# Altium PCB Sensor.PcbDoc (part 1 of 3)
Units mil, origin at the board's own origin, x right, y up, seen from the top; angles counter-clockwise.
Board outline 4420 x 3000 mil, 2 copper layers (Top Layer, Bottom Layer); 1207 components, 78 nets, 2560 pads, 1349 vias.
Unrouted connection lines stored in the file: 1.
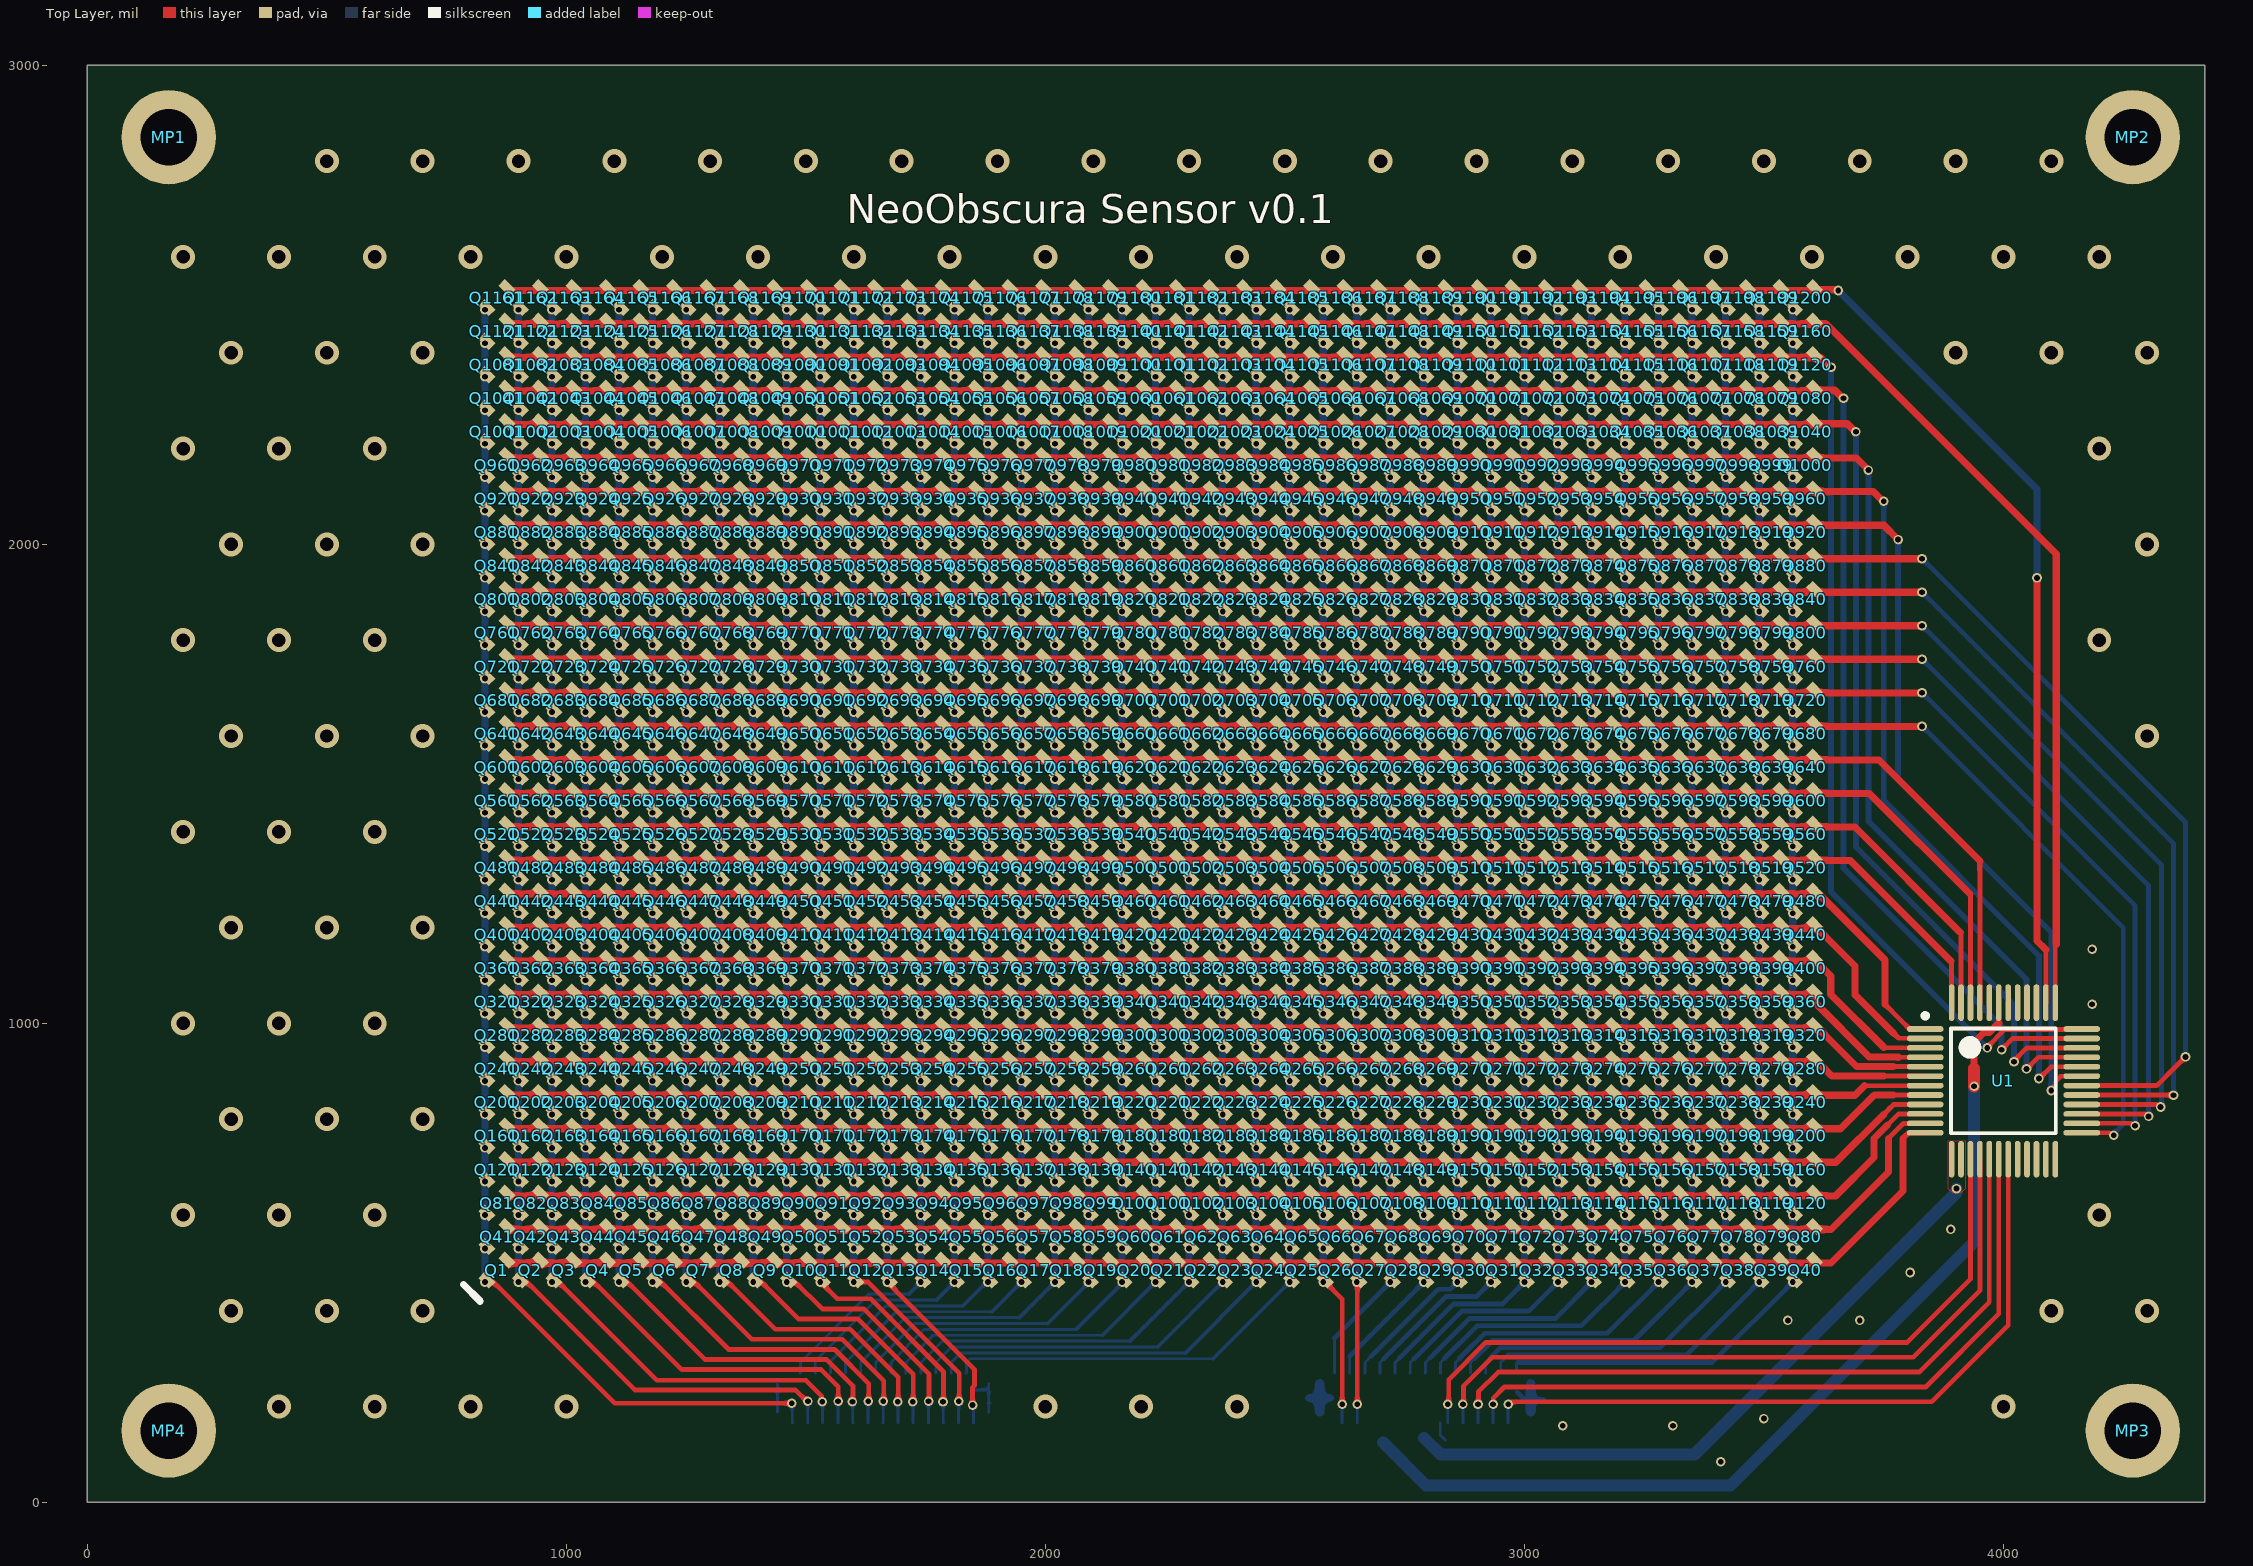
[diagram p0: Top Layer view]
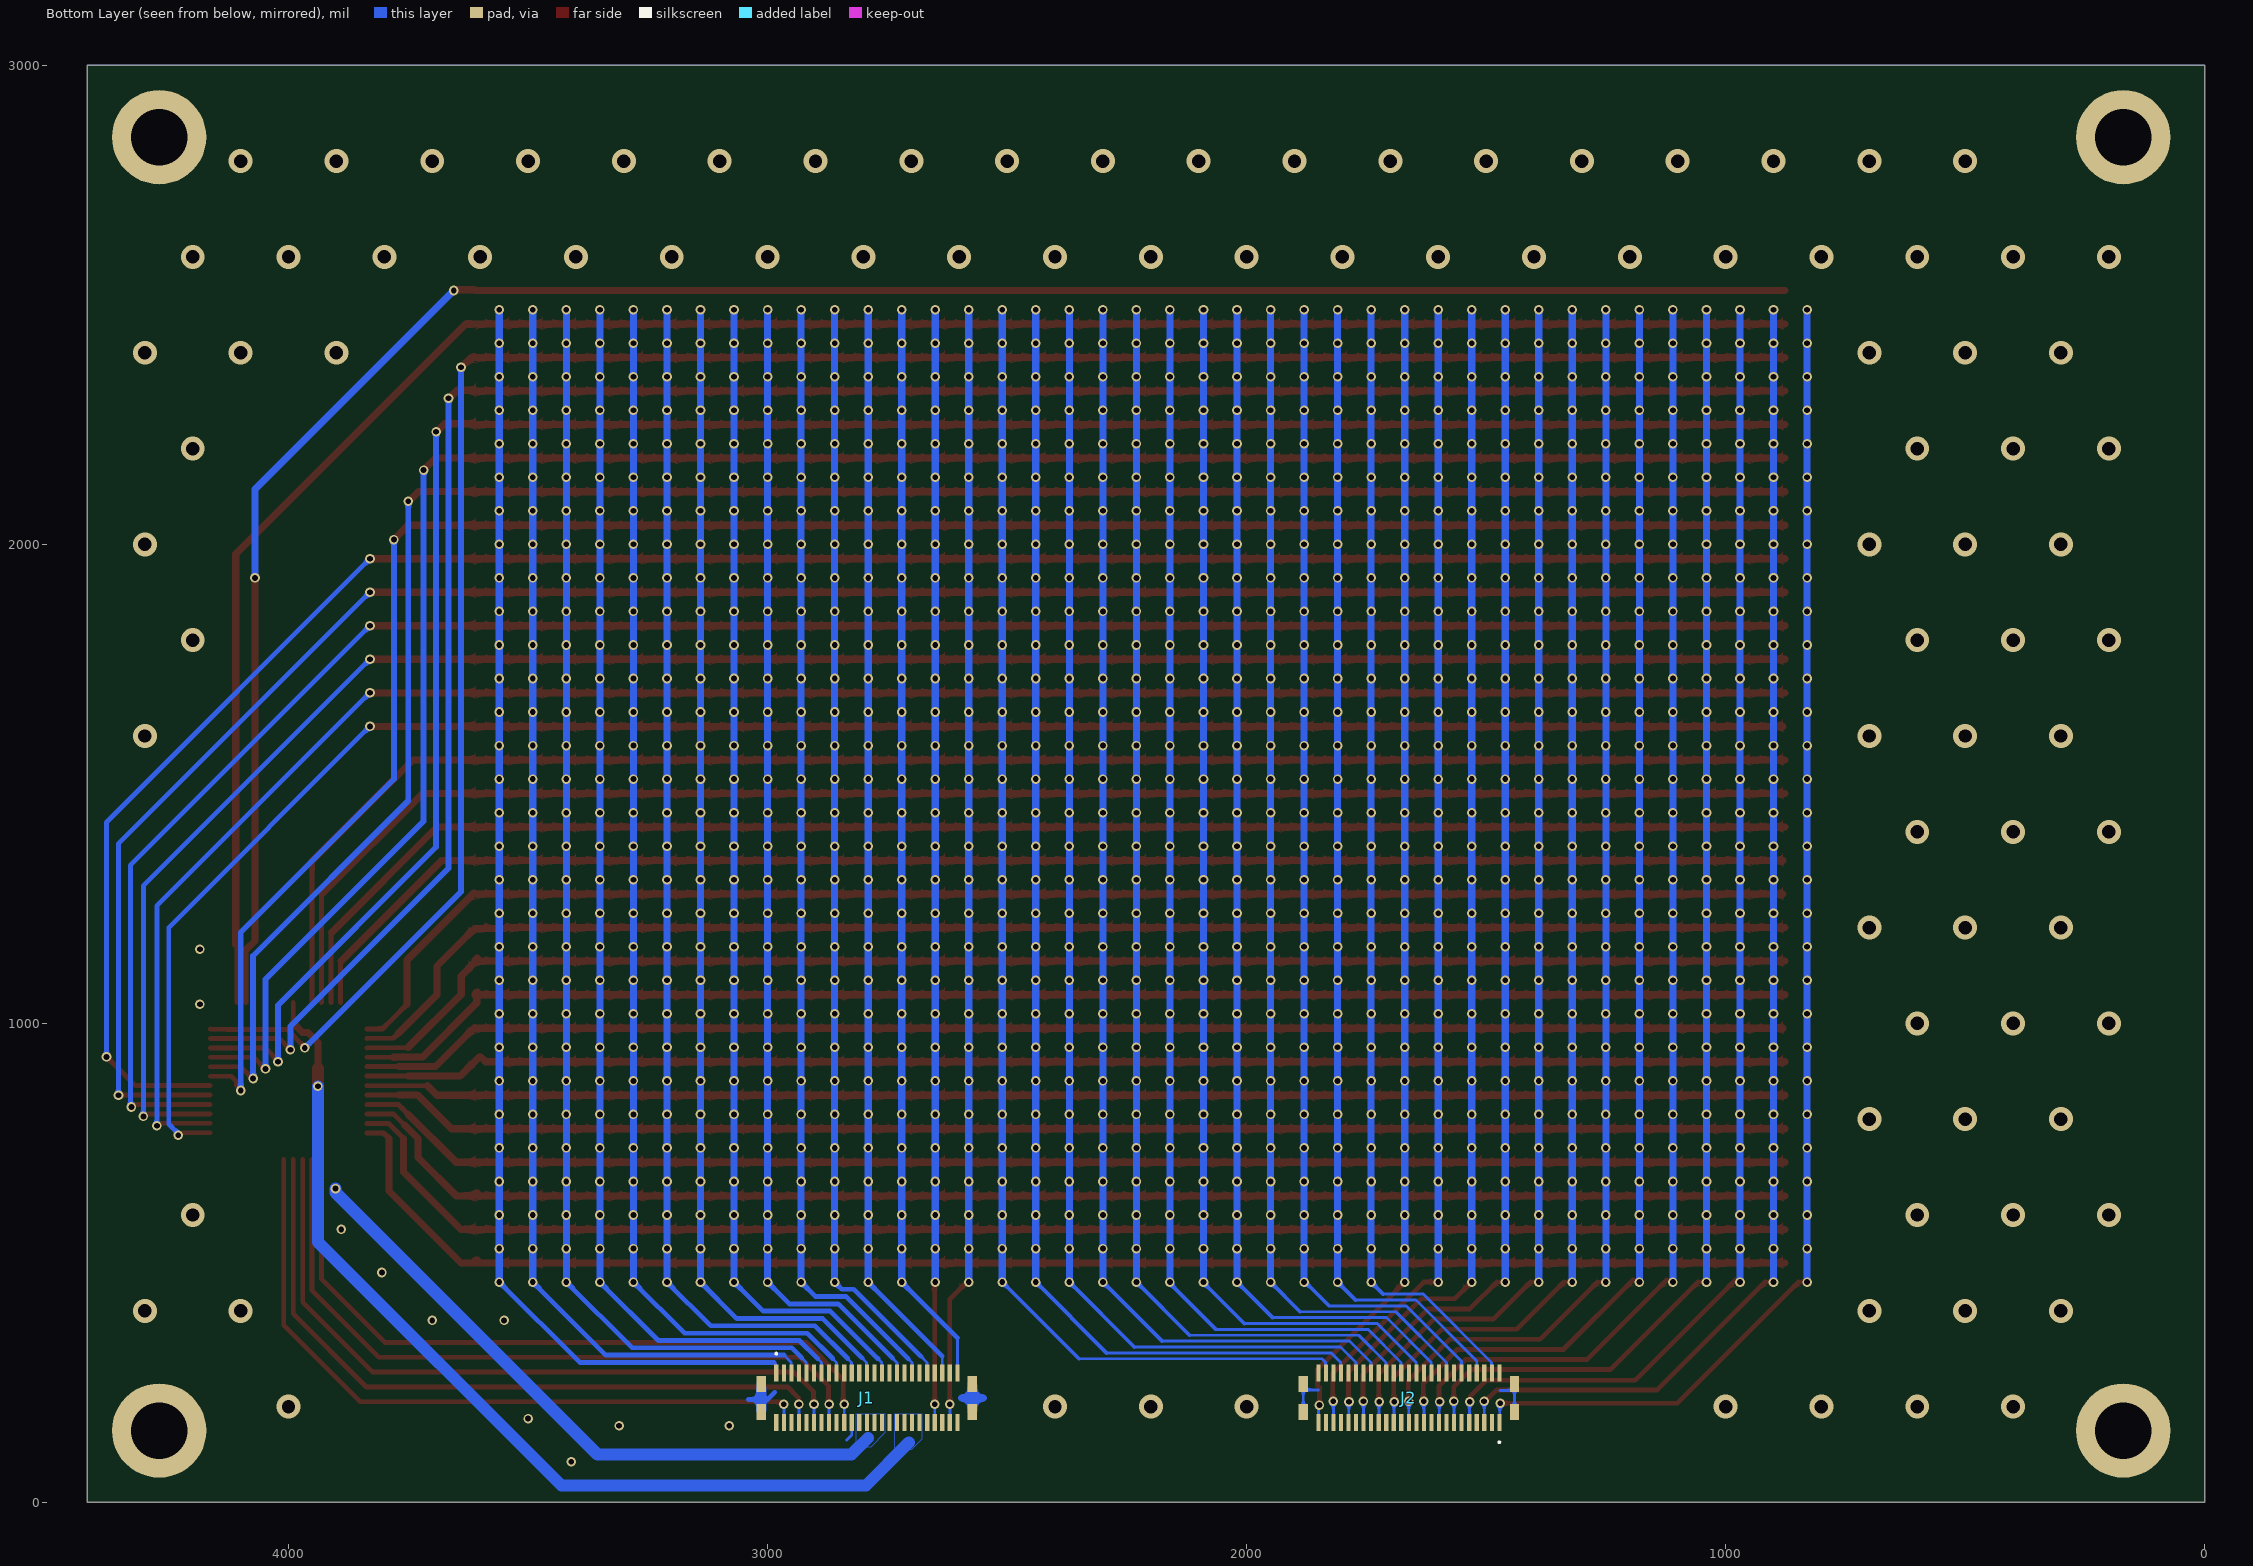
[diagram p1: Bottom Layer view, seen from below]
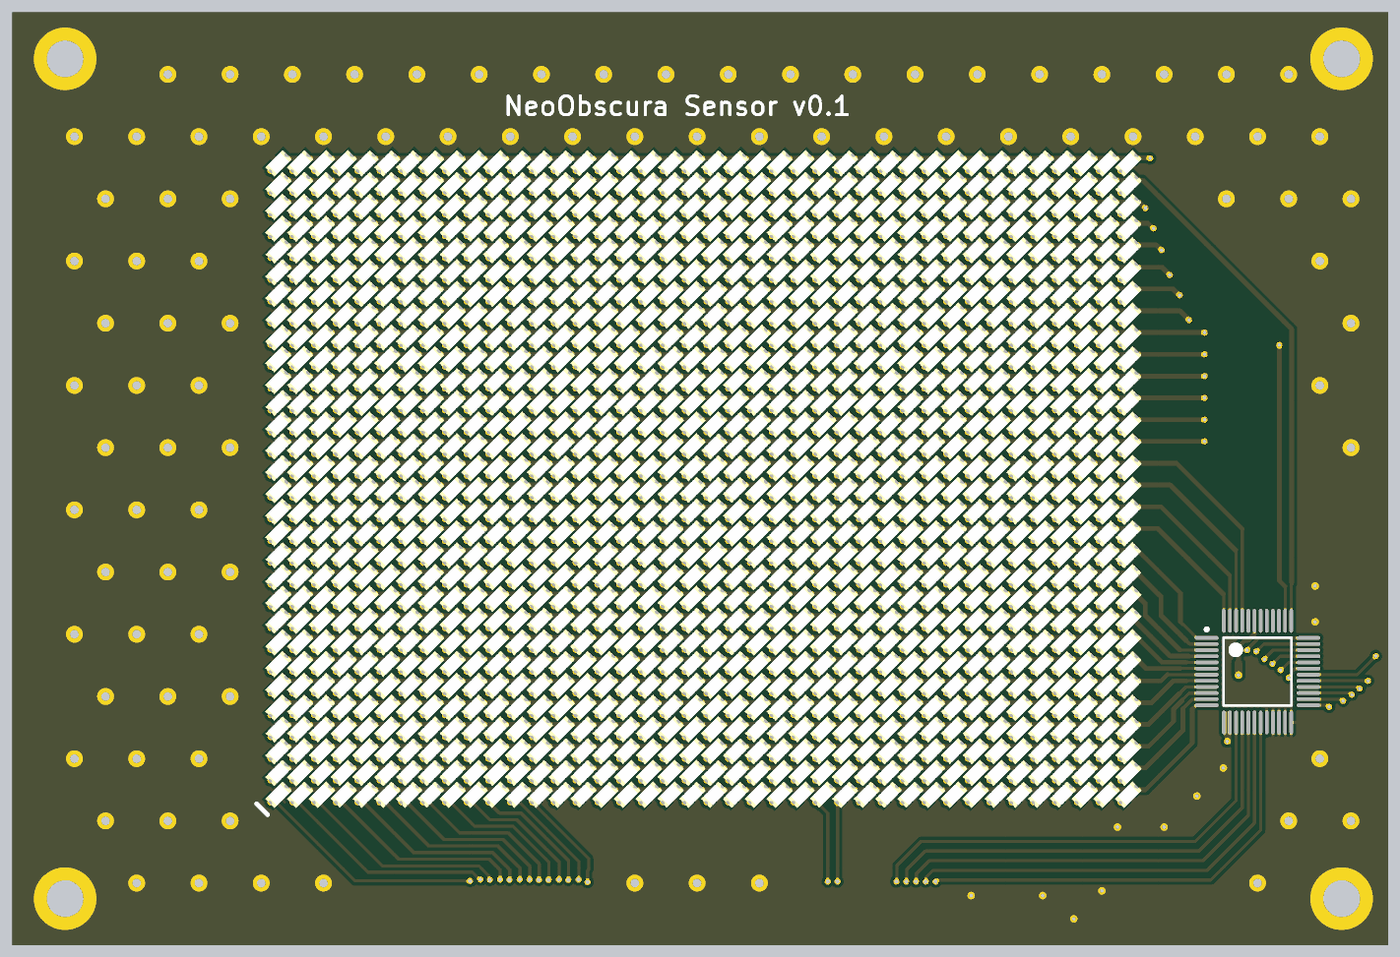
[diagram p4: 3D render of the assembled board from above, using the file's embedded part models]

## Layer stack, top to bottom
Top Solder: solder mask 0.4, Solder Resist, Dk 3.5
Top Layer: signal copper 1.4
Dielectric 1: dielectric 12.6, FR-4, Dk 4.8
Bottom Layer: signal copper 1.4
Bottom Solder: solder mask 0.4, Solder Resist, Dk 3.5

## Board outline
0,0 0,3000 4420,3000 4420,0 2115,0

## Design rules (kind name [scope] priority, off if disabled: settings)
Clearance [All] p1: gap=10 ignorepadtopadclearanceinfootprint=FALSE except(0: Arc-Hole Track-Hole SMDPad-Hole THPad-Hole Via-Hole Fill-Hole Poly-Hole Region-Hole Text-Hole; 5: Arc-Arc Arc-Track Track-Track SMDPad-SMDPad; 8: Arc-SMDPad Track-SMDPad; 13: Arc-THPad Track-THPad; 20: SMDPad-THPad)
HoleSize [All] p1: absolutevalues=TRUE maxlimit=248.03 minlimit=0.98 maxpercent=80.000 minpercent=20.000
MinimumSolderMaskSliver [All] p1: minsoldermaskwidth=3.15
PlaneClearance [All] p1: clearance=5
PlaneConnect [All] p1: planeconnectstyle=Direct reliefexpansion=20 reliefentries=4 reliefconductorwidth=10 reliefairgap=10
PolygonConnect PolygonConnect_5V [InNet('+5')] p1: connectstyle=Direct reliefconductorwidth=10 reliefentries=4 polygonreliefangle="90 Angle" airgapwidth=10
PolygonConnect PolygonConnect_VCC [InNet('VCC')] p2: connectstyle=Direct reliefconductorwidth=10 reliefentries=4 polygonreliefangle="90 Angle" airgapwidth=10
PolygonConnect PolygonConnect_GND [InNet('GND')] p3: thpad.connectstyle=Direct thpad.reliefconductorwidth=10 thpad.reliefentries=4 thpad.polygonreliefangle="90 Angle" thpad.airgapwidth=10 smdpad.connectstyle=Relief smdpad.reliefconductorwidth=10 smdpad.reliefentries=4 smdpad.polygonreliefangle="90 Angle" smdpad.airgapwidth=10 via.connectstyle=Direct via.reliefconductorwidth=10 via.reliefentries=4 via.polygonreliefangle="90 Angle" via.airgapwidth=10
PolygonConnect [All] p4: connectstyle=Relief reliefconductorwidth=10 reliefentries=4 polygonreliefangle="90 Angle" airgapwidth=10
RoutingVias [All] p1: holewidth=28 width=50 viastyle="Through Hole" minholewidth=12 minwidth=20 maxholewidth=28 maxwidth=50
SolderMaskExpansion SolderMaskExpansion_Connector [HasFootprint('501745-0501')] p1: expansion=3.7 istentingtop=FALSE
SolderMaskExpansion [All] p2: expansion=2 istentingtop=FALSE
Width [All] p1: maxlimit=100 minlimit=5 preferedwidth=10 minimp=50.000000 maximp=50.000000 favimp=50.000000
26 further rules are at their usual default settings.

## Classes and differential pairs
component class Sensor: J1 J2 MP1 MP2 MP3 MP4 U1

## Components (designator, comment, footprint, x,y, rotation, side; value= is the part's Value field where it differs from the comment)
J1 "501745-0501" 501745-0501 2792.76,218.23 r0 bottom locked
J2 "501745-0501" 501745-0501 1661.26,218.23 r180 bottom locked
MP1 "M3 MOUNTING HOLE" "M3 MOUNTING HOLE"#1 180,2820 r0 top
MP2 "M3 MOUNTING HOLE" "M3 MOUNTING HOLE"#2 4260,2820 r0 top
MP3 "M3 MOUNTING HOLE" "M3 MOUNTING HOLE"#3 4260,180 r0 top
MP4 "M3 MOUNTING HOLE" "M3 MOUNTING HOLE"#4 180,180 r0 top
Q1 "PT0805CS" "0805 Phototransistor" 855,485 r45 top
Q2 "PT0805CS" "0805 Phototransistor" 925,485 r45 top
Q3 "PT0805CS" "0805 Phototransistor" 995,485 r45 top
Q4 "PT0805CS" "0805 Phototransistor" 1065,485 r45 top
Q5 "PT0805CS" "0805 Phototransistor" 1135,485 r45 top
Q6 "PT0805CS" "0805 Phototransistor" 1205,485 r45 top
Q7 "PT0805CS" "0805 Phototransistor" 1275,485 r45 top
Q8 "PT0805CS" "0805 Phototransistor" 1345,485 r45 top
Q9 "PT0805CS" "0805 Phototransistor" 1415,485 r45 top
Q10 "PT0805CS" "0805 Phototransistor" 1485,485 r45 top
Q11 "PT0805CS" "0805 Phototransistor" 1555,485 r45 top
Q12 "PT0805CS" "0805 Phototransistor" 1625,485 r45 top
Q13 "PT0805CS" "0805 Phototransistor" 1695,485 r45 top
Q14 "PT0805CS" "0805 Phototransistor" 1765,485 r45 top
Q15 "PT0805CS" "0805 Phototransistor" 1835,485 r45 top
Q16 "PT0805CS" "0805 Phototransistor" 1905,485 r45 top
Q17 "PT0805CS" "0805 Phototransistor" 1975,485 r45 top
Q18 "PT0805CS" "0805 Phototransistor" 2045,485 r45 top
Q19 "PT0805CS" "0805 Phototransistor" 2115,485 r45 top
Q20 "PT0805CS" "0805 Phototransistor" 2185,485 r45 top
Q21 "PT0805CS" "0805 Phototransistor" 2255,485 r45 top
Q22 "PT0805CS" "0805 Phototransistor" 2325,485 r45 top
Q23 "PT0805CS" "0805 Phototransistor" 2395,485 r45 top
Q24 "PT0805CS" "0805 Phototransistor" 2465,485 r45 top
Q25 "PT0805CS" "0805 Phototransistor" 2535,485 r45 top
Q26 "PT0805CS" "0805 Phototransistor" 2605,485 r45 top
Q27 "PT0805CS" "0805 Phototransistor" 2675,485 r45 top
Q28 "PT0805CS" "0805 Phototransistor" 2745,485 r45 top
Q29 "PT0805CS" "0805 Phototransistor" 2815,485 r45 top
Q30 "PT0805CS" "0805 Phototransistor" 2885,485 r45 top
Q31 "PT0805CS" "0805 Phototransistor" 2955,485 r45 top
Q32 "PT0805CS" "0805 Phototransistor" 3025,485 r45 top
Q33 "PT0805CS" "0805 Phototransistor" 3095,485 r45 top
Q34 "PT0805CS" "0805 Phototransistor" 3165,485 r45 top
Q35 "PT0805CS" "0805 Phototransistor" 3235,485 r45 top
Q36 "PT0805CS" "0805 Phototransistor" 3305,485 r45 top
Q37 "PT0805CS" "0805 Phototransistor" 3375,485 r45 top
Q38 "PT0805CS" "0805 Phototransistor" 3445,485 r45 top
Q39 "PT0805CS" "0805 Phototransistor" 3515,485 r45 top
Q40 "PT0805CS" "0805 Phototransistor" 3585,485 r45 top
Q41 "PT0805CS" "0805 Phototransistor" 855,555 r45 top
Q42 "PT0805CS" "0805 Phototransistor" 925,555 r45 top
Q43 "PT0805CS" "0805 Phototransistor" 995,555 r45 top
Q44 "PT0805CS" "0805 Phototransistor" 1065,555 r45 top
Q45 "PT0805CS" "0805 Phototransistor" 1135,555 r45 top
Q46 "PT0805CS" "0805 Phototransistor" 1205,555 r45 top
Q47 "PT0805CS" "0805 Phototransistor" 1275,555 r45 top
Q48 "PT0805CS" "0805 Phototransistor" 1345,555 r45 top
Q49 "PT0805CS" "0805 Phototransistor" 1415,555 r45 top
Q50 "PT0805CS" "0805 Phototransistor" 1485,555 r45 top
Q51 "PT0805CS" "0805 Phototransistor" 1555,555 r45 top
Q52 "PT0805CS" "0805 Phototransistor" 1625,555 r45 top
Q53 "PT0805CS" "0805 Phototransistor" 1695,555 r45 top
Q54 "PT0805CS" "0805 Phototransistor" 1765,555 r45 top
Q55 "PT0805CS" "0805 Phototransistor" 1835,555 r45 top
Q56 "PT0805CS" "0805 Phototransistor" 1905,555 r45 top
Q57 "PT0805CS" "0805 Phototransistor" 1975,555 r45 top
Q58 "PT0805CS" "0805 Phototransistor" 2045,555 r45 top
Q59 "PT0805CS" "0805 Phototransistor" 2115,555 r45 top
Q60 "PT0805CS" "0805 Phototransistor" 2185,555 r45 top
Q61 "PT0805CS" "0805 Phototransistor" 2255,555 r45 top
Q62 "PT0805CS" "0805 Phototransistor" 2325,555 r45 top
Q63 "PT0805CS" "0805 Phototransistor" 2395,555 r45 top
Q64 "PT0805CS" "0805 Phototransistor" 2465,555 r45 top
Q65 "PT0805CS" "0805 Phototransistor" 2535,555 r45 top
Q66 "PT0805CS" "0805 Phototransistor" 2605,555 r45 top
Q67 "PT0805CS" "0805 Phototransistor" 2675,555 r45 top
Q68 "PT0805CS" "0805 Phototransistor" 2745,555 r45 top
Q69 "PT0805CS" "0805 Phototransistor" 2815,555 r45 top
Q70 "PT0805CS" "0805 Phototransistor" 2885,555 r45 top
Q71 "PT0805CS" "0805 Phototransistor" 2955,555 r45 top
Q72 "PT0805CS" "0805 Phototransistor" 3025,555 r45 top
Q73 "PT0805CS" "0805 Phototransistor" 3095,555 r45 top
Q74 "PT0805CS" "0805 Phototransistor" 3165,555 r45 top
Q75 "PT0805CS" "0805 Phototransistor" 3235,555 r45 top
Q76 "PT0805CS" "0805 Phototransistor" 3305,555 r45 top
Q77 "PT0805CS" "0805 Phototransistor" 3375,555 r45 top
Q78 "PT0805CS" "0805 Phototransistor" 3445,555 r45 top
Q79 "PT0805CS" "0805 Phototransistor" 3515,555 r45 top
Q80 "PT0805CS" "0805 Phototransistor" 3585,555 r45 top
Q81 "PT0805CS" "0805 Phototransistor" 855,625 r45 top
Q82 "PT0805CS" "0805 Phototransistor" 925,625 r45 top
Q83 "PT0805CS" "0805 Phototransistor" 995,625 r45 top
Q84 "PT0805CS" "0805 Phototransistor" 1065,625 r45 top
Q85 "PT0805CS" "0805 Phototransistor" 1135,625 r45 top
Q86 "PT0805CS" "0805 Phototransistor" 1205,625 r45 top
Q87 "PT0805CS" "0805 Phototransistor" 1275,625 r45 top
Q88 "PT0805CS" "0805 Phototransistor" 1345,625 r45 top
Q89 "PT0805CS" "0805 Phototransistor" 1415,625 r45 top
Q90 "PT0805CS" "0805 Phototransistor" 1485,625 r45 top
Q91 "PT0805CS" "0805 Phototransistor" 1555,625 r45 top
Q92 "PT0805CS" "0805 Phototransistor" 1625,625 r45 top
Q93 "PT0805CS" "0805 Phototransistor" 1695,625 r45 top
Q94 "PT0805CS" "0805 Phototransistor" 1765,625 r45 top
Q95 "PT0805CS" "0805 Phototransistor" 1835,625 r45 top
Q96 "PT0805CS" "0805 Phototransistor" 1905,625 r45 top
Q97 "PT0805CS" "0805 Phototransistor" 1975,625 r45 top
Q98 "PT0805CS" "0805 Phototransistor" 2045,625 r45 top
Q99 "PT0805CS" "0805 Phototransistor" 2115,625 r45 top
Q100 "PT0805CS" "0805 Phototransistor" 2185,625 r45 top
Q101 "PT0805CS" "0805 Phototransistor" 2255,625 r45 top
Q102 "PT0805CS" "0805 Phototransistor" 2325,625 r45 top
Q103 "PT0805CS" "0805 Phototransistor" 2395,625 r45 top
Q104 "PT0805CS" "0805 Phototransistor" 2465,625 r45 top
Q105 "PT0805CS" "0805 Phototransistor" 2535,625 r45 top
Q106 "PT0805CS" "0805 Phototransistor" 2605,625 r45 top
Q107 "PT0805CS" "0805 Phototransistor" 2675,625 r45 top
Q108 "PT0805CS" "0805 Phototransistor" 2745,625 r45 top
Q109 "PT0805CS" "0805 Phototransistor" 2815,625 r45 top
Q110 "PT0805CS" "0805 Phototransistor" 2885,625 r45 top
Q111 "PT0805CS" "0805 Phototransistor" 2955,625 r45 top
Q112 "PT0805CS" "0805 Phototransistor" 3025,625 r45 top
Q113 "PT0805CS" "0805 Phototransistor" 3095,625 r45 top
Q114 "PT0805CS" "0805 Phototransistor" 3165,625 r45 top
Q115 "PT0805CS" "0805 Phototransistor" 3235,625 r45 top
Q116 "PT0805CS" "0805 Phototransistor" 3305,625 r45 top
Q117 "PT0805CS" "0805 Phototransistor" 3375,625 r45 top
Q118 "PT0805CS" "0805 Phototransistor" 3445,625 r45 top
Q119 "PT0805CS" "0805 Phototransistor" 3515,625 r45 top
Q120 "PT0805CS" "0805 Phototransistor" 3585,625 r45 top
Q121 "PT0805CS" "0805 Phototransistor" 855,695 r45 top
Q122 "PT0805CS" "0805 Phototransistor" 925,695 r45 top
Q123 "PT0805CS" "0805 Phototransistor" 995,695 r45 top
Q124 "PT0805CS" "0805 Phototransistor" 1065,695 r45 top
Q125 "PT0805CS" "0805 Phototransistor" 1135,695 r45 top
Q126 "PT0805CS" "0805 Phototransistor" 1205,695 r45 top
Q127 "PT0805CS" "0805 Phototransistor" 1275,695 r45 top
Q128 "PT0805CS" "0805 Phototransistor" 1345,695 r45 top
Q129 "PT0805CS" "0805 Phototransistor" 1415,695 r45 top
Q130 "PT0805CS" "0805 Phototransistor" 1485,695 r45 top
Q131 "PT0805CS" "0805 Phototransistor" 1555,695 r45 top
Q132 "PT0805CS" "0805 Phototransistor" 1625,695 r45 top
Q133 "PT0805CS" "0805 Phototransistor" 1695,695 r45 top
Q134 "PT0805CS" "0805 Phototransistor" 1765,695 r45 top
Q135 "PT0805CS" "0805 Phototransistor" 1835,695 r45 top
Q136 "PT0805CS" "0805 Phototransistor" 1905,695 r45 top
Q137 "PT0805CS" "0805 Phototransistor" 1975,695 r45 top
Q138 "PT0805CS" "0805 Phototransistor" 2045,695 r45 top
Q139 "PT0805CS" "0805 Phototransistor" 2115,695 r45 top
Q140 "PT0805CS" "0805 Phototransistor" 2185,695 r45 top
Q141 "PT0805CS" "0805 Phototransistor" 2255,695 r45 top
Q142 "PT0805CS" "0805 Phototransistor" 2325,695 r45 top
Q143 "PT0805CS" "0805 Phototransistor" 2395,695 r45 top
Q144 "PT0805CS" "0805 Phototransistor" 2465,695 r45 top
Q145 "PT0805CS" "0805 Phototransistor" 2535,695 r45 top
Q146 "PT0805CS" "0805 Phototransistor" 2605,695 r45 top
Q147 "PT0805CS" "0805 Phototransistor" 2675,695 r45 top
Q148 "PT0805CS" "0805 Phototransistor" 2745,695 r45 top
Q149 "PT0805CS" "0805 Phototransistor" 2815,695 r45 top
Q150 "PT0805CS" "0805 Phototransistor" 2885,695 r45 top
Q151 "PT0805CS" "0805 Phototransistor" 2955,695 r45 top
Q152 "PT0805CS" "0805 Phototransistor" 3025,695 r45 top
Q153 "PT0805CS" "0805 Phototransistor" 3095,695 r45 top
Q154 "PT0805CS" "0805 Phototransistor" 3165,695 r45 top
Q155 "PT0805CS" "0805 Phototransistor" 3235,695 r45 top
Q156 "PT0805CS" "0805 Phototransistor" 3305,695 r45 top
Q157 "PT0805CS" "0805 Phototransistor" 3375,695 r45 top
Q158 "PT0805CS" "0805 Phototransistor" 3445,695 r45 top
Q159 "PT0805CS" "0805 Phototransistor" 3515,695 r45 top
Q160 "PT0805CS" "0805 Phototransistor" 3585,695 r45 top
Q161 "PT0805CS" "0805 Phototransistor" 855,765 r45 top
Q162 "PT0805CS" "0805 Phototransistor" 925,765 r45 top
Q163 "PT0805CS" "0805 Phototransistor" 995,765 r45 top
Q164 "PT0805CS" "0805 Phototransistor" 1065,765 r45 top
Q165 "PT0805CS" "0805 Phototransistor" 1135,765 r45 top
Q166 "PT0805CS" "0805 Phototransistor" 1205,765 r45 top
Q167 "PT0805CS" "0805 Phototransistor" 1275,765 r45 top
Q168 "PT0805CS" "0805 Phototransistor" 1345,765 r45 top
Q169 "PT0805CS" "0805 Phototransistor" 1415,765 r45 top
Q170 "PT0805CS" "0805 Phototransistor" 1485,765 r45 top
Q171 "PT0805CS" "0805 Phototransistor" 1555,765 r45 top
Q172 "PT0805CS" "0805 Phototransistor" 1625,765 r45 top
Q173 "PT0805CS" "0805 Phototransistor" 1695,765 r45 top
Q174 "PT0805CS" "0805 Phototransistor" 1765,765 r45 top
Q175 "PT0805CS" "0805 Phototransistor" 1835,765 r45 top
Q176 "PT0805CS" "0805 Phototransistor" 1905,765 r45 top
Q177 "PT0805CS" "0805 Phototransistor" 1975,765 r45 top
Q178 "PT0805CS" "0805 Phototransistor" 2045,765 r45 top
Q179 "PT0805CS" "0805 Phototransistor" 2115,765 r45 top
Q180 "PT0805CS" "0805 Phototransistor" 2185,765 r45 top
Q181 "PT0805CS" "0805 Phototransistor" 2255,765 r45 top
Q182 "PT0805CS" "0805 Phototransistor" 2325,765 r45 top
Q183 "PT0805CS" "0805 Phototransistor" 2395,765 r45 top
Q184 "PT0805CS" "0805 Phototransistor" 2465,765 r45 top
Q185 "PT0805CS" "0805 Phototransistor" 2535,765 r45 top
Q186 "PT0805CS" "0805 Phototransistor" 2605,765 r45 top
Q187 "PT0805CS" "0805 Phototransistor" 2675,765 r45 top
Q188 "PT0805CS" "0805 Phototransistor" 2745,765 r45 top
Q189 "PT0805CS" "0805 Phototransistor" 2815,765 r45 top
Q190 "PT0805CS" "0805 Phototransistor" 2885,765 r45 top
Q191 "PT0805CS" "0805 Phototransistor" 2955,765 r45 top
Q192 "PT0805CS" "0805 Phototransistor" 3025,765 r45 top
Q193 "PT0805CS" "0805 Phototransistor" 3095,765 r45 top
Q194 "PT0805CS" "0805 Phototransistor" 3165,765 r45 top
Q195 "PT0805CS" "0805 Phototransistor" 3235,765 r45 top
Q196 "PT0805CS" "0805 Phototransistor" 3305,765 r45 top
Q197 "PT0805CS" "0805 Phototransistor" 3375,765 r45 top
Q198 "PT0805CS" "0805 Phototransistor" 3445,765 r45 top
Q199 "PT0805CS" "0805 Phototransistor" 3515,765 r45 top
Q200 "PT0805CS" "0805 Phototransistor" 3585,765 r45 top
Q201 "PT0805CS" "0805 Phototransistor" 855,835 r45 top
Q202 "PT0805CS" "0805 Phototransistor" 925,835 r45 top
Q203 "PT0805CS" "0805 Phototransistor" 995,835 r45 top
Q204 "PT0805CS" "0805 Phototransistor" 1065,835 r45 top
Q205 "PT0805CS" "0805 Phototransistor" 1135,835 r45 top
Q206 "PT0805CS" "0805 Phototransistor" 1205,835 r45 top
Q207 "PT0805CS" "0805 Phototransistor" 1275,835 r45 top
Q208 "PT0805CS" "0805 Phototransistor" 1345,835 r45 top
Q209 "PT0805CS" "0805 Phototransistor" 1415,835 r45 top
Q210 "PT0805CS" "0805 Phototransistor" 1485,835 r45 top
Q211 "PT0805CS" "0805 Phototransistor" 1555,835 r45 top
Q212 "PT0805CS" "0805 Phototransistor" 1625,835 r45 top
Q213 "PT0805CS" "0805 Phototransistor" 1695,835 r45 top
Q214 "PT0805CS" "0805 Phototransistor" 1765,835 r45 top
Q215 "PT0805CS" "0805 Phototransistor" 1835,835 r45 top
Q216 "PT0805CS" "0805 Phototransistor" 1905,835 r45 top
Q217 "PT0805CS" "0805 Phototransistor" 1975,835 r45 top
Q218 "PT0805CS" "0805 Phototransistor" 2045,835 r45 top
Q219 "PT0805CS" "0805 Phototransistor" 2115,835 r45 top
Q220 "PT0805CS" "0805 Phototransistor" 2185,835 r45 top
Q221 "PT0805CS" "0805 Phototransistor" 2255,835 r45 top
Q222 "PT0805CS" "0805 Phototransistor" 2325,835 r45 top
Q223 "PT0805CS" "0805 Phototransistor" 2395,835 r45 top
Q224 "PT0805CS" "0805 Phototransistor" 2465,835 r45 top